# KiCad board untitled.kicad_pcb (continued)
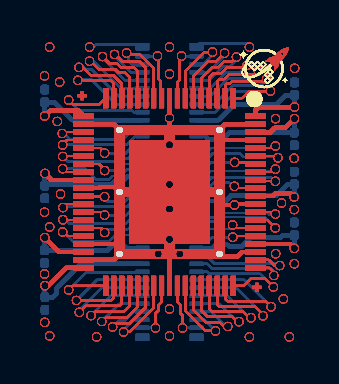
[diagram p0: board, top side]
## Routing (per net, layer and track width the routed paths; a pad name or vN(x,y) marks a point on that pad's centre or on a via; arc(x,y) is an arc through that point) (continued)
/PIN 39: length 245.1
  Top w0.1: 9.66,-0.91 9.41,-0.66 ; 9.66,-0.91 v1(9.74,-0.91) ; 9.66,-0.91 v1(9.74,-0.91) ; 9.66,-0.91 9.41,-0.66 ; 9.66,-0.91 v1(9.74,-0.91) ; 9.66,-0.91 9.41,-0.66 ; 9.66,-0.91 v1(9.74,-0.91) ; 9.66,-0.91 v1(9.74,-0.91) ; 9.66,-0.91 9.41,-0.66 ; 9.66,-0.91 9.41,-0.66 ; 9.66,-0.91 9.41,-0.66 ; 9.66,-0.91 v1(9.74,-0.91) ; 9.66,-0.91 v1(9.74,-0.91) ; 9.66,-0.91 9.41,-0.66 ; 9.66,-0.91 9.41,-0.66 ; 9.66,-0.91 9.41,-0.66 ; 9.66,-0.91 9.41,-0.66 ; 9.66,-0.91 v1(9.74,-0.91) ; 9.66,-0.91 v1(9.74,-0.91) ; 9.66,-0.91 9.41,-0.66 ; 9.66,-0.91 v1(9.74,-0.91) ; 9.66,-0.91 v1(9.74,-0.91) ; 9.66,-0.91 9.41,-0.66 ; 9.66,-0.91 v1(9.74,-0.91) ; 9.66,-0.91 v1(9.74,-0.91) ; 9.66,-0.91 9.41,-0.66 ; 9.66,-0.91 v1(9.74,-0.91) ; 9.66,-0.91 v1(9.74,-0.91) ; 9.66,-0.91 v1(9.74,-0.91) ; 9.66,-0.91 v1(9.74,-0.91) ; 9.66,-0.91 9.41,-0.66 ; 9.66,-0.91 9.41,-0.66 ; 9.66,-0.91 9.41,-0.66 ; 9.66,-0.91 v1(9.74,-0.91) ; 9.66,-0.91 9.41,-0.66 ; 9.66,-0.91 v1(9.74,-0.91) ; 9.66,-0.91 v1(9.74,-0.91) ; 9.66,-0.91 9.41,-0.66 ; 9.66,-0.91 v1(9.74,-0.91) ; 9.66,-0.91 v1(9.74,-0.91) ; 9.66,-0.91 9.41,-0.66 ; 9.66,-0.91 v1(9.74,-0.91) ; 9.66,-0.91 9.41,-0.66 ; 9.66,-0.91 9.41,-0.66 ; 9.66,-0.91 9.41,-0.66 ; 9.66,-0.91 9.41,-0.66 ; 9.66,-0.91 9.41,-0.66 ; 9.66,-0.91 9.41,-0.66 ; 9.66,-0.91 v1(9.74,-0.91) ; 9.66,-0.91 v1(9.74,-0.91) ; 9.66,-0.91 v1(9.74,-0.91) ; 9.66,-0.91 9.41,-0.66 ; 9.66,-0.91 9.41,-0.66 ; 9.66,-0.91 9.41,-0.66 ; 9.66,-0.91 v1(9.74,-0.91) ; 9.66,-0.91 9.41,-0.66 ; 9.66,-0.91 v1(9.74,-0.91) ; 9.66,-0.91 v1(9.74,-0.91) ; 9.66,-0.91 9.41,-0.66 ; 9.66,-0.91 v1(9.74,-0.91) ; 9.66,-0.91 9.41,-0.66 ; 9.66,-0.91 v1(9.74,-0.91) ; 9.66,-0.91 v1(9.74,-0.91) ; 9.66,-0.91 v1(9.74,-0.91) ; 9.66,-0.91 9.41,-0.66 ; 9.66,-0.91 9.41,-0.66 ; 9.66,-0.91 v1(9.74,-0.91) ; 9.66,-0.91 v1(9.74,-0.91) ; 9.66,-0.91 9.41,-0.66 ; 9.66,-0.91 9.41,-0.66 ; 9.66,-0.91 v1(9.74,-0.91) ; 9.66,-0.91 9.41,-0.66 ; 9.66,-0.91 v1(9.74,-0.91) ; 9.66,-0.91 v1(9.74,-0.91) ; 9.66,-0.91 v1(9.74,-0.91) ; 9.66,-0.91 9.41,-0.66 ; 9.66,-0.91 9.41,-0.66 ; 9.66,-0.91 9.41,-0.66 ; 9.66,-0.91 v1(9.74,-0.91) ; 9.66,-0.91 9.41,-0.66 ; 9.66,-0.91 9.41,-0.66 ; 9.66,-0.91 v1(9.74,-0.91) ; 9.66,-0.91 9.41,-0.66 ; 9.66,-0.91 v1(9.74,-0.91) ; 9.41,-0.66 8.17,-0.66 ; 9.41,-0.66 8.17,-0.66 ; 9.41,-0.66 8.17,-0.66 ; 9.41,-0.66 8.17,-0.66 ; 9.41,-0.66 8.17,-0.66 ; 9.41,-0.66 8.17,-0.66 ; 9.41,-0.66 8.17,-0.66 ; 9.41,-0.66 8.17,-0.66 ; 9.41,-0.66 8.17,-0.66 ; 9.41,-0.66 8.17,-0.66 ; 9.41,-0.66 8.17,-0.66 ; 9.41,-0.66 8.17,-0.66 ; 9.41,-0.66 8.17,-0.66 ; 9.41,-0.66 8.17,-0.66 ; 9.41,-0.66 8.17,-0.66 ; 9.41,-0.66 8.17,-0.66 ; 9.41,-0.66 8.17,-0.66 ; 9.41,-0.66 8.17,-0.66 ; 9.41,-0.66 8.17,-0.66 ; 9.41,-0.66 8.17,-0.66 ; 9.41,-0.66 8.17,-0.66 ; 9.41,-0.66 8.17,-0.66 ; 9.41,-0.66 8.17,-0.66 ; 9.41,-0.66 8.17,-0.66 ; 9.41,-0.66 8.17,-0.66 ; 9.41,-0.66 8.17,-0.66 ; 9.41,-0.66 8.17,-0.66 ; 9.41,-0.66 8.17,-0.66 ; 9.41,-0.66 8.17,-0.66 ; 9.41,-0.66 8.17,-0.66 ; 9.41,-0.66 8.17,-0.66 ; 9.41,-0.66 8.17,-0.66 ; 9.41,-0.66 8.17,-0.66 ; 9.41,-0.66 8.17,-0.66 ; 9.41,-0.66 8.17,-0.66 ; 9.41,-0.66 8.17,-0.66 ; 9.41,-0.66 8.17,-0.66 ; 9.41,-0.66 8.17,-0.66 ; 9.41,-0.66 8.17,-0.66 ; 9.41,-0.66 8.17,-0.66 ; 9.41,-0.66 8.17,-0.66 ; 9.41,-0.66 8.17,-0.66 ; 8.17,-0.66 7.86,-0.35 ; 8.17,-0.66 7.86,-0.35 ; 8.17,-0.66 7.86,-0.35 ; 8.17,-0.66 7.86,-0.35 ; 8.17,-0.66 7.86,-0.35 ; 8.17,-0.66 7.86,-0.35 ; 8.17,-0.66 7.86,-0.35 ; 8.17,-0.66 7.86,-0.35 ; 8.17,-0.66 7.86,-0.35 ; 8.17,-0.66 7.86,-0.35 ; 8.17,-0.66 7.86,-0.35 ; 8.17,-0.66 7.86,-0.35 ; 8.17,-0.66 7.86,-0.35 ; 8.17,-0.66 7.86,-0.35 ; 8.17,-0.66 7.86,-0.35 ; 8.17,-0.66 7.86,-0.35 ; 8.17,-0.66 7.86,-0.35 ; 8.17,-0.66 7.86,-0.35 ; 8.17,-0.66 7.86,-0.35 ; 8.17,-0.66 7.86,-0.35 ; 8.17,-0.66 7.86,-0.35 ; 8.17,-0.66 7.86,-0.35 ; 8.17,-0.66 7.86,-0.35 ; 8.17,-0.66 7.86,-0.35 ; 8.17,-0.66 7.86,-0.35 ; 8.17,-0.66 7.86,-0.35 ; 8.17,-0.66 7.86,-0.35 ; 8.17,-0.66 7.86,-0.35 ; 8.17,-0.66 7.86,-0.35 ; 8.17,-0.66 7.86,-0.35 ; 8.17,-0.66 7.86,-0.35 ; 8.17,-0.66 7.86,-0.35 ; 8.17,-0.66 7.86,-0.35 ; 8.17,-0.66 7.86,-0.35 ; 8.17,-0.66 7.86,-0.35 ; 8.17,-0.66 7.86,-0.35 ; 8.17,-0.66 7.86,-0.35 ; 8.17,-0.66 7.86,-0.35 ; 8.17,-0.66 7.86,-0.35 ; 8.17,-0.66 7.86,-0.35 ; 8.17,-0.66 7.86,-0.35 ; 8.17,-0.66 7.86,-0.35 ; 7.86,-0.35 J158.50 ; 7.86,-0.35 J158.50 ; 7.86,-0.35 J158.50 ; 7.86,-0.35 J158.50 ; 7.86,-0.35 J158.50 ; 7.86,-0.35 J158.50 ; 7.86,-0.35 J158.50 ; 7.86,-0.35 J158.50 ; 7.86,-0.35 J158.50 ; 7.86,-0.35 J158.50 ; 7.86,-0.35 J158.50 ; 7.86,-0.35 J158.50 ; 7.86,-0.35 J158.50 ; 7.86,-0.35 J158.50 ; 7.86,-0.35 J158.50 ; 7.86,-0.35 J158.50 ; 7.86,-0.35 J158.50 ; 7.86,-0.35 J158.50 ; 7.86,-0.35 J158.50 ; 7.86,-0.35 J158.50 ; 7.86,-0.35 J158.50 ; 7.86,-0.35 J158.50 ; 7.86,-0.35 J158.50 ; 7.86,-0.35 J158.50 ; 7.86,-0.35 J158.50 ; 7.86,-0.35 J158.50 ; 7.86,-0.35 J158.50 ; 7.86,-0.35 J158.50 ; 7.86,-0.35 J158.50 ; 7.86,-0.35 J158.50 ; 7.86,-0.35 J158.50 ; 7.86,-0.35 J158.50 ; 7.86,-0.35 J158.50 ; 7.86,-0.35 J158.50 ; 7.86,-0.35 J158.50 ; 7.86,-0.35 J158.50 ; 7.86,-0.35 J158.50 ; 7.86,-0.35 J158.50 ; 7.86,-0.35 J158.50 ; 7.86,-0.35 J158.50 ; 7.86,-0.35 J158.50 ; 7.86,-0.35 J158.50
  Bottom w0.1: v1(9.74,-0.91) 9.66,-0.91 ; v1(9.74,-0.91) 9.66,-0.91 ; v1(9.74,-0.91) 9.66,-0.91 ; v1(9.74,-0.91) 9.66,-0.91 ; v1(9.74,-0.91) 9.66,-0.91 ; v1(9.74,-0.91) 9.66,-0.91 ; v1(9.74,-0.91) 9.66,-0.91 ; v1(9.74,-0.91) 9.66,-0.91 ; v1(9.74,-0.91) 9.66,-0.91 ; v1(9.74,-0.91) 9.66,-0.91 ; v1(9.74,-0.91) 9.66,-0.91 ; v1(9.74,-0.91) 9.66,-0.91 ; v1(9.74,-0.91) 9.66,-0.91 ; v1(9.74,-0.91) 9.66,-0.91 ; v1(9.74,-0.91) 9.66,-0.91 ; v1(9.74,-0.91) 9.66,-0.91 ; v1(9.74,-0.91) 9.66,-0.91 ; v1(9.74,-0.91) 9.66,-0.91 ; v1(9.74,-0.91) 9.66,-0.91 ; v1(9.74,-0.91) 9.66,-0.91 ; v1(9.74,-0.91) 9.66,-0.91 ; v1(9.74,-0.91) 9.66,-0.91 ; v1(9.74,-0.91) 9.66,-0.91 ; v1(9.74,-0.91) 9.66,-0.91 ; v1(9.74,-0.91) 9.66,-0.91 ; v1(9.74,-0.91) 9.66,-0.91 ; v1(9.74,-0.91) 9.66,-0.91 ; v1(9.74,-0.91) 9.66,-0.91 ; v1(9.74,-0.91) 9.66,-0.91 ; v1(9.74,-0.91) 9.66,-0.91 ; v1(9.74,-0.91) 9.66,-0.91 ; v1(9.74,-0.91) 9.66,-0.91 ; v1(9.74,-0.91) 9.66,-0.91 ; v1(9.74,-0.91) 9.66,-0.91 ; v1(9.74,-0.91) 9.66,-0.91 ; v1(9.74,-0.91) 9.66,-0.91 ; v1(9.74,-0.91) 9.66,-0.91 ; v1(9.74,-0.91) 9.66,-0.91 ; v1(9.74,-0.91) 9.66,-0.91 ; v1(9.74,-0.91) 9.66,-0.91 ; v1(9.74,-0.91) 9.66,-0.91 ; v1(9.74,-0.91) 9.66,-0.91 ; 9.66,-0.91 8.77,-0.02 ; 9.66,-0.91 8.77,-0.02 ; 9.66,-0.91 8.77,-0.02 ; 9.66,-0.91 8.77,-0.02 ; 9.66,-0.91 8.77,-0.02 ; 9.66,-0.91 8.77,-0.02 ; 9.66,-0.91 8.77,-0.02 ; 9.66,-0.91 8.77,-0.02 ; 9.66,-0.91 8.77,-0.02 ; 9.66,-0.91 8.77,-0.02 ; 9.66,-0.91 8.77,-0.02 ; 9.66,-0.91 8.77,-0.02 ; 9.66,-0.91 8.77,-0.02 ; 9.66,-0.91 8.77,-0.02 ; 9.66,-0.91 8.77,-0.02 ; 9.66,-0.91 8.77,-0.02 ; 9.66,-0.91 8.77,-0.02 ; 9.66,-0.91 8.77,-0.02 ; 9.66,-0.91 8.77,-0.02 ; 9.66,-0.91 8.77,-0.02 ; 9.66,-0.91 8.77,-0.02 ; 9.66,-0.91 8.77,-0.02 ; 9.66,-0.91 8.77,-0.02 ; 9.66,-0.91 8.77,-0.02 ; 9.66,-0.91 8.77,-0.02 ; 9.66,-0.91 8.77,-0.02 ; 9.66,-0.91 8.77,-0.02 ; 9.66,-0.91 8.77,-0.02 ; 9.66,-0.91 8.77,-0.02 ; 9.66,-0.91 8.77,-0.02 ; 9.66,-0.91 8.77,-0.02 ; 9.66,-0.91 8.77,-0.02 ; 9.66,-0.91 8.77,-0.02 ; 9.66,-0.91 8.77,-0.02 ; 9.66,-0.91 8.77,-0.02 ; 9.66,-0.91 8.77,-0.02 ; 9.66,-0.91 8.77,-0.02 ; 9.66,-0.91 8.77,-0.02 ; 9.66,-0.91 8.77,-0.02 ; 9.66,-0.91 8.77,-0.02 ; 9.66,-0.91 8.77,-0.02 ; 9.66,-0.91 8.77,-0.02 ; 8.77,-0.02 J173.32 ; 8.77,-0.02 J173.32 ; 8.77,-0.02 J173.32 ; 8.77,-0.02 J173.32 ; 8.77,-0.02 J173.32 ; 8.77,-0.02 J173.32 ; 8.77,-0.02 J173.32 ; 8.77,-0.02 J173.32 ; 8.77,-0.02 J173.32 ; 8.77,-0.02 J173.32 ; 8.77,-0.02 J173.32 ; 8.77,-0.02 J173.32 ; 8.77,-0.02 J173.32 ; 8.77,-0.02 J173.32 ; 8.77,-0.02 J173.32 ; 8.77,-0.02 J173.32 ; 8.77,-0.02 J173.32 ; 8.77,-0.02 J173.32 ; 8.77,-0.02 J173.32 ; 8.77,-0.02 J173.32 ; 8.77,-0.02 J173.32 ; 8.77,-0.02 J173.32 ; 8.77,-0.02 J173.32 ; 8.77,-0.02 J173.32 ; 8.77,-0.02 J173.32 ; 8.77,-0.02 J173.32 ; 8.77,-0.02 J173.32 ; 8.77,-0.02 J173.32 ; 8.77,-0.02 J173.32 ; 8.77,-0.02 J173.32 ; 8.77,-0.02 J173.32 ; 8.77,-0.02 J173.32 ; 8.77,-0.02 J173.32 ; 8.77,-0.02 J173.32 ; 8.77,-0.02 J173.32 ; 8.77,-0.02 J173.32 ; 8.77,-0.02 J173.32 ; 8.77,-0.02 J173.32 ; 8.77,-0.02 J173.32 ; 8.77,-0.02 J173.32 ; 8.77,-0.02 J173.32 ; 8.77,-0.02 J173.32
/PIN 40: length 276.8
  Top w0.1: 8.39,-0.4 8.26,-0.27 ; 8.39,-0.4 9.94,-0.4 ; 8.39,-0.4 9.94,-0.4 ; 8.39,-0.4 9.94,-0.4 ; 8.39,-0.4 8.26,-0.27 ; 8.39,-0.4 9.94,-0.4 ; 8.39,-0.4 8.26,-0.27 ; 8.39,-0.4 8.26,-0.27 ; 8.39,-0.4 8.26,-0.27 ; 8.39,-0.4 8.26,-0.27 ; 8.39,-0.4 8.26,-0.27 ; 8.39,-0.4 9.94,-0.4 ; 8.39,-0.4 9.94,-0.4 ; 8.39,-0.4 9.94,-0.4 ; 8.39,-0.4 8.26,-0.27 ; 8.39,-0.4 8.26,-0.27 ; 8.39,-0.4 9.94,-0.4 ; 8.39,-0.4 9.94,-0.4 ; 8.39,-0.4 8.26,-0.27 ; 8.39,-0.4 8.26,-0.27 ; 8.39,-0.4 8.26,-0.27 ; 8.39,-0.4 9.94,-0.4 ; 8.39,-0.4 8.26,-0.27 ; 8.39,-0.4 9.94,-0.4 ; 8.39,-0.4 8.26,-0.27 ; 8.39,-0.4 8.26,-0.27 ; 8.39,-0.4 8.26,-0.27 ; 8.39,-0.4 9.94,-0.4 ; 8.39,-0.4 9.94,-0.4 ; 8.39,-0.4 9.94,-0.4 ; 8.39,-0.4 8.26,-0.27 ; 8.39,-0.4 9.94,-0.4 ; 8.39,-0.4 8.26,-0.27 ; 8.39,-0.4 8.26,-0.27 ; 8.39,-0.4 9.94,-0.4 ; 8.39,-0.4 9.94,-0.4 ; 8.39,-0.4 9.94,-0.4 ; 8.39,-0.4 8.26,-0.27 ; 8.39,-0.4 9.94,-0.4 ; 8.39,-0.4 9.94,-0.4 ; 8.39,-0.4 8.26,-0.27 ; 8.39,-0.4 8.26,-0.27 ; 8.39,-0.4 9.94,-0.4 ; 8.39,-0.4 9.94,-0.4 ; 8.39,-0.4 9.94,-0.4 ; 8.39,-0.4 8.26,-0.27 ; 8.39,-0.4 9.94,-0.4 ; 8.39,-0.4 8.26,-0.27 ; 8.39,-0.4 8.26,-0.27 ; 8.39,-0.4 8.26,-0.27 ; 8.39,-0.4 9.94,-0.4 ; 8.39,-0.4 8.26,-0.27 ; 8.39,-0.4 8.26,-0.27 ; 8.39,-0.4 9.94,-0.4 ; 8.39,-0.4 9.94,-0.4 ; 8.39,-0.4 8.26,-0.27 ; 8.39,-0.4 9.94,-0.4 ; 8.39,-0.4 9.94,-0.4 ; 8.39,-0.4 9.94,-0.4 ; 8.39,-0.4 8.26,-0.27 ; 8.39,-0.4 8.26,-0.27 ; 8.39,-0.4 9.94,-0.4 ; 8.39,-0.4 9.94,-0.4 ; 8.39,-0.4 8.26,-0.27 ; 8.39,-0.4 9.94,-0.4 ; 8.39,-0.4 8.26,-0.27 ; 8.39,-0.4 8.26,-0.27 ; 8.39,-0.4 9.94,-0.4 ; 8.39,-0.4 9.94,-0.4 ; 8.39,-0.4 9.94,-0.4 ; 8.39,-0.4 8.26,-0.27 ; 8.39,-0.4 8.26,-0.27 ; 8.39,-0.4 8.26,-0.27 ; 8.39,-0.4 9.94,-0.4 ; 8.39,-0.4 8.26,-0.27 ; 8.39,-0.4 8.26,-0.27 ; 8.39,-0.4 9.94,-0.4 ; 8.39,-0.4 8.26,-0.27 ; 8.39,-0.4 9.94,-0.4 ; 8.39,-0.4 8.26,-0.27 ; 8.39,-0.4 8.26,-0.27 ; 8.39,-0.4 9.94,-0.4 ; 8.39,-0.4 9.94,-0.4 ; 8.39,-0.4 9.94,-0.4 ; 8.26,-0.27 J158.51 ; 8.26,-0.27 J158.51 ; 8.26,-0.27 J158.51 ; 8.26,-0.27 J158.51 ; 8.26,-0.27 J158.51 ; 8.26,-0.27 J158.51 ; 8.26,-0.27 J158.51 ; 8.26,-0.27 J158.51 ; 8.26,-0.27 J158.51 ; 8.26,-0.27 J158.51 ; 8.26,-0.27 J158.51 ; 8.26,-0.27 J158.51 ; 8.26,-0.27 J158.51 ; 8.26,-0.27 J158.51 ; 8.26,-0.27 J158.51 ; 8.26,-0.27 J158.51 ; 8.26,-0.27 J158.51 ; 8.26,-0.27 J158.51 ; 8.26,-0.27 J158.51 ; 8.26,-0.27 J158.51 ; 8.26,-0.27 J158.51 ; 8.26,-0.27 J158.51 ; 8.26,-0.27 J158.51 ; 8.26,-0.27 J158.51 ; 8.26,-0.27 J158.51 ; 8.26,-0.27 J158.51 ; 8.26,-0.27 J158.51 ; 8.26,-0.27 J158.51 ; 8.26,-0.27 J158.51 ; 8.26,-0.27 J158.51 ; 8.26,-0.27 J158.51 ; 8.26,-0.27 J158.51 ; 8.26,-0.27 J158.51 ; 8.26,-0.27 J158.51 ; 8.26,-0.27 J158.51 ; 8.26,-0.27 J158.51 ; 8.26,-0.27 J158.51 ; 8.26,-0.27 J158.51 ; 8.26,-0.27 J158.51 ; 8.26,-0.27 J158.51 ; 8.26,-0.27 J158.51 ; 8.26,-0.27 J158.51 ; v1(10.34,-0.71) 10.26,-0.71 ; v1(10.34,-0.71) 10.26,-0.71 ; v1(10.34,-0.71) 10.26,-0.71 ; v1(10.34,-0.71) 10.26,-0.71 ; v1(10.34,-0.71) 10.26,-0.71 ; v1(10.34,-0.71) 10.26,-0.71 ; v1(10.34,-0.71) 10.26,-0.71 ; v1(10.34,-0.71) 10.26,-0.71 ; v1(10.34,-0.71) 10.26,-0.71 ; v1(10.34,-0.71) 10.26,-0.71 ; v1(10.34,-0.71) 10.26,-0.71 ; v1(10.34,-0.71) 10.26,-0.71 ; v1(10.34,-0.71) 10.26,-0.71 ; v1(10.34,-0.71) 10.26,-0.71 ; v1(10.34,-0.71) 10.26,-0.71 ; v1(10.34,-0.71) 10.26,-0.71 ; v1(10.34,-0.71) 10.26,-0.71 ; v1(10.34,-0.71) 10.26,-0.71 ; v1(10.34,-0.71) 10.26,-0.71 ; v1(10.34,-0.71) 10.26,-0.71 ; v1(10.34,-0.71) 10.26,-0.71 ; v1(10.34,-0.71) 10.26,-0.71 ; v1(10.34,-0.71) 10.26,-0.71 ; v1(10.34,-0.71) 10.26,-0.71 ; v1(10.34,-0.71) 10.26,-0.71 ; v1(10.34,-0.71) 10.26,-0.71 ; v1(10.34,-0.71) 10.26,-0.71 ; v1(10.34,-0.71) 10.26,-0.71 ; v1(10.34,-0.71) 10.26,-0.71 ; v1(10.34,-0.71) 10.26,-0.71 ; v1(10.34,-0.71) 10.26,-0.71 ; v1(10.34,-0.71) 10.26,-0.71 ; v1(10.34,-0.71) 10.26,-0.71 ; v1(10.34,-0.71) 10.26,-0.71 ; v1(10.34,-0.71) 10.26,-0.71 ; v1(10.34,-0.71) 10.26,-0.71 ; v1(10.34,-0.71) 10.26,-0.71 ; v1(10.34,-0.71) 10.26,-0.71 ; v1(10.34,-0.71) 10.26,-0.71 ; v1(10.34,-0.71) 10.26,-0.71 ; v1(10.34,-0.71) 10.26,-0.71 ; v1(10.34,-0.71) 10.26,-0.71 ; 10.26,-0.71 9.94,-0.4 ; 10.26,-0.71 9.94,-0.4 ; 10.26,-0.71 9.94,-0.4 ; 10.26,-0.71 9.94,-0.4 ; 10.26,-0.71 9.94,-0.4 ; 10.26,-0.71 9.94,-0.4 ; 10.26,-0.71 9.94,-0.4 ; 10.26,-0.71 9.94,-0.4 ; 10.26,-0.71 9.94,-0.4 ; 10.26,-0.71 9.94,-0.4 ; 10.26,-0.71 9.94,-0.4 ; 10.26,-0.71 9.94,-0.4 ; 10.26,-0.71 9.94,-0.4 ; 10.26,-0.71 9.94,-0.4 ; 10.26,-0.71 9.94,-0.4 ; 10.26,-0.71 9.94,-0.4 ; 10.26,-0.71 9.94,-0.4 ; 10.26,-0.71 9.94,-0.4 ; 10.26,-0.71 9.94,-0.4 ; 10.26,-0.71 9.94,-0.4 ; 10.26,-0.71 9.94,-0.4 ; 10.26,-0.71 9.94,-0.4 ; 10.26,-0.71 9.94,-0.4 ; 10.26,-0.71 9.94,-0.4 ; 10.26,-0.71 9.94,-0.4 ; 10.26,-0.71 9.94,-0.4 ; 10.26,-0.71 9.94,-0.4 ; 10.26,-0.71 9.94,-0.4 ; 10.26,-0.71 9.94,-0.4 ; 10.26,-0.71 9.94,-0.4 ; 10.26,-0.71 9.94,-0.4 ; 10.26,-0.71 9.94,-0.4 ; 10.26,-0.71 9.94,-0.4 ; 10.26,-0.71 9.94,-0.4 ; 10.26,-0.71 9.94,-0.4 ; 10.26,-0.71 9.94,-0.4 ; 10.26,-0.71 9.94,-0.4 ; 10.26,-0.71 9.94,-0.4 ; 10.26,-0.71 9.94,-0.4 ; 10.26,-0.71 9.94,-0.4 ; 10.26,-0.71 9.94,-0.4 ; 10.26,-0.71 9.94,-0.4
  Bottom w0.1: v1(10.34,-0.71) 10.26,-0.71 ; v1(10.34,-0.71) 10.26,-0.71 ; v1(10.34,-0.71) 10.26,-0.71 ; v1(10.34,-0.71) 10.26,-0.71 ; v1(10.34,-0.71) 10.26,-0.71 ; v1(10.34,-0.71) 10.26,-0.71 ; v1(10.34,-0.71) 10.26,-0.71 ; v1(10.34,-0.71) 10.26,-0.71 ; v1(10.34,-0.71) 10.26,-0.71 ; v1(10.34,-0.71) 10.26,-0.71 ; v1(10.34,-0.71) 10.26,-0.71 ; v1(10.34,-0.71) 10.26,-0.71 ; v1(10.34,-0.71) 10.26,-0.71 ; v1(10.34,-0.71) 10.26,-0.71 ; v1(10.34,-0.71) 10.26,-0.71 ; v1(10.34,-0.71) 10.26,-0.71 ; v1(10.34,-0.71) 10.26,-0.71 ; v1(10.34,-0.71) 10.26,-0.71 ; v1(10.34,-0.71) 10.26,-0.71 ; v1(10.34,-0.71) 10.26,-0.71 ; v1(10.34,-0.71) 10.26,-0.71 ; v1(10.34,-0.71) 10.26,-0.71 ; v1(10.34,-0.71) 10.26,-0.71 ; v1(10.34,-0.71) 10.26,-0.71 ; v1(10.34,-0.71) 10.26,-0.71 ; v1(10.34,-0.71) 10.26,-0.71 ; v1(10.34,-0.71) 10.26,-0.71 ; v1(10.34,-0.71) 10.26,-0.71 ; v1(10.34,-0.71) 10.26,-0.71 ; v1(10.34,-0.71) 10.26,-0.71 ; v1(10.34,-0.71) 10.26,-0.71 ; v1(10.34,-0.71) 10.26,-0.71 ; v1(10.34,-0.71) 10.26,-0.71 ; v1(10.34,-0.71) 10.26,-0.71 ; v1(10.34,-0.71) 10.26,-0.71 ; v1(10.34,-0.71) 10.26,-0.71 ; v1(10.34,-0.71) 10.26,-0.71 ; v1(10.34,-0.71) 10.26,-0.71 ; v1(10.34,-0.71) 10.26,-0.71 ; v1(10.34,-0.71) 10.26,-0.71 ; v1(10.34,-0.71) 10.26,-0.71 ; v1(10.34,-0.71) 10.26,-0.71 ; 10.26,-0.71 9.17,0.38 ; 10.26,-0.71 9.17,0.38 ; 10.26,-0.71 9.17,0.38 ; 10.26,-0.71 9.17,0.38 ; 10.26,-0.71 9.17,0.38 ; 10.26,-0.71 9.17,0.38 ; 10.26,-0.71 9.17,0.38 ; 10.26,-0.71 9.17,0.38 ; 10.26,-0.71 9.17,0.38 ; 10.26,-0.71 9.17,0.38 ; 10.26,-0.71 9.17,0.38 ; 10.26,-0.71 9.17,0.38 ; 10.26,-0.71 9.17,0.38 ; 10.26,-0.71 9.17,0.38 ; 10.26,-0.71 9.17,0.38 ; 10.26,-0.71 9.17,0.38 ; 10.26,-0.71 9.17,0.38 ; 10.26,-0.71 9.17,0.38 ; 10.26,-0.71 9.17,0.38 ; 10.26,-0.71 9.17,0.38 ; 10.26,-0.71 9.17,0.38 ; 10.26,-0.71 9.17,0.38 ; 10.26,-0.71 9.17,0.38 ; 10.26,-0.71 9.17,0.38 ; 10.26,-0.71 9.17,0.38 ; 10.26,-0.71 9.17,0.38 ; 10.26,-0.71 9.17,0.38 ; 10.26,-0.71 9.17,0.38 ; 10.26,-0.71 9.17,0.38 ; 10.26,-0.71 9.17,0.38 ; 10.26,-0.71 9.17,0.38 ; 10.26,-0.71 9.17,0.38 ; 10.26,-0.71 9.17,0.38 ; 10.26,-0.71 9.17,0.38 ; 10.26,-0.71 9.17,0.38 ; 10.26,-0.71 9.17,0.38 ; 10.26,-0.71 9.17,0.38 ; 10.26,-0.71 9.17,0.38 ; 10.26,-0.71 9.17,0.38 ; 10.26,-0.71 9.17,0.38 ; 10.26,-0.71 9.17,0.38 ; 10.26,-0.71 9.17,0.38 ; 9.17,0.38 J173.31 ; 9.17,0.38 J173.31 ; 9.17,0.38 J173.31 ; 9.17,0.38 J173.31 ; 9.17,0.38 J173.31 ; 9.17,0.38 J173.31 ; 9.17,0.38 J173.31 ; 9.17,0.38 J173.31 ; 9.17,0.38 J173.31 ; 9.17,0.38 J173.31 ; 9.17,0.38 J173.31 ; 9.17,0.38 J173.31 ; 9.17,0.38 J173.31 ; 9.17,0.38 J173.31 ; 9.17,0.38 J173.31 ; 9.17,0.38 J173.31 ; 9.17,0.38 J173.31 ; 9.17,0.38 J173.31 ; 9.17,0.38 J173.31 ; 9.17,0.38 J173.31 ; 9.17,0.38 J173.31 ; 9.17,0.38 J173.31 ; 9.17,0.38 J173.31 ; 9.17,0.38 J173.31 ; 9.17,0.38 J173.31 ; 9.17,0.38 J173.31 ; 9.17,0.38 J173.31 ; 9.17,0.38 J173.31 ; 9.17,0.38 J173.31 ; 9.17,0.38 J173.31 ; 9.17,0.38 J173.31 ; 9.17,0.38 J173.31 ; 9.17,0.38 J173.31 ; 9.17,0.38 J173.31 ; 9.17,0.38 J173.31 ; 9.17,0.38 J173.31 ; 9.17,0.38 J173.31 ; 9.17,0.38 J173.31 ; 9.17,0.38 J173.31 ; 9.17,0.38 J173.31 ; 9.17,0.38 J173.31 ; 9.17,0.38 J173.31
/PIN 41: length 312.6
  Top w0.1: 10.53,-0.14 8.73,-0.14 ; 10.53,-0.14 10.94,-0.55 ; 10.53,-0.14 10.94,-0.55 ; 10.53,-0.14 10.94,-0.55 ; 10.53,-0.14 10.94,-0.55 ; 10.53,-0.14 8.73,-0.14 ; 10.53,-0.14 8.73,-0.14 ; 10.53,-0.14 8.73,-0.14 ; 10.53,-0.14 8.73,-0.14 ; 10.53,-0.14 8.73,-0.14 ; 10.53,-0.14 10.94,-0.55 ; 10.53,-0.14 8.73,-0.14 ; 10.53,-0.14 8.73,-0.14 ; 10.53,-0.14 8.73,-0.14 ; 10.53,-0.14 8.73,-0.14 ; 10.53,-0.14 8.73,-0.14 ; 10.53,-0.14 8.73,-0.14 ; 10.53,-0.14 10.94,-0.55 ; 10.53,-0.14 10.94,-0.55 ; 10.53,-0.14 10.94,-0.55 ; 10.53,-0.14 8.73,-0.14 ; 10.53,-0.14 8.73,-0.14 ; 10.53,-0.14 10.94,-0.55 ; 10.53,-0.14 10.94,-0.55 ; 10.53,-0.14 8.73,-0.14 ; 10.53,-0.14 8.73,-0.14 ; 10.53,-0.14 10.94,-0.55 ; 10.53,-0.14 10.94,-0.55 ; 10.53,-0.14 8.73,-0.14 ; 10.53,-0.14 10.94,-0.55 ; 10.53,-0.14 10.94,-0.55 ; 10.53,-0.14 10.94,-0.55 ; 10.53,-0.14 10.94,-0.55 ; 10.53,-0.14 10.94,-0.55 ; 10.53,-0.14 8.73,-0.14 ; 10.53,-0.14 10.94,-0.55 ; 10.53,-0.14 8.73,-0.14 ; 10.53,-0.14 8.73,-0.14 ; 10.53,-0.14 10.94,-0.55 ; 10.53,-0.14 10.94,-0.55 ; 10.53,-0.14 10.94,-0.55 ; 10.53,-0.14 10.94,-0.55 ; 10.53,-0.14 8.73,-0.14 ; 10.53,-0.14 8.73,-0.14 ; 10.53,-0.14 8.73,-0.14 ; 10.53,-0.14 8.73,-0.14 ; 10.53,-0.14 8.73,-0.14 ; 10.53,-0.14 10.94,-0.55 ; 10.53,-0.14 8.73,-0.14 ; 10.53,-0.14 10.94,-0.55 ; 10.53,-0.14 8.73,-0.14 ; 10.53,-0.14 10.94,-0.55 ; 10.53,-0.14 10.94,-0.55 ; 10.53,-0.14 10.94,-0.55 ; 10.53,-0.14 8.73,-0.14 ; 10.53,-0.14 8.73,-0.14 ; 10.53,-0.14 8.73,-0.14 ; 10.53,-0.14 10.94,-0.55 ; 10.53,-0.14 10.94,-0.55 ; 10.53,-0.14 8.73,-0.14 ; 10.53,-0.14 8.73,-0.14 ; 10.53,-0.14 8.73,-0.14 ; 10.53,-0.14 10.94,-0.55 ; 10.53,-0.14 8.73,-0.14 ; 10.53,-0.14 10.94,-0.55 ; 10.53,-0.14 10.94,-0.55 ; 10.53,-0.14 8.73,-0.14 ; 10.53,-0.14 8.73,-0.14 ; 10.53,-0.14 10.94,-0.55 ; 10.53,-0.14 10.94,-0.55 ; 10.53,-0.14 8.73,-0.14 ; 10.53,-0.14 8.73,-0.14 ; 10.53,-0.14 10.94,-0.55 ; 10.53,-0.14 8.73,-0.14 ; 10.53,-0.14 8.73,-0.14 ; 10.53,-0.14 10.94,-0.55 ; 10.53,-0.14 10.94,-0.55 ; 10.53,-0.14 8.73,-0.14 ; 10.53,-0.14 10.94,-0.55 ; 10.53,-0.14 10.94,-0.55 ; 10.53,-0.14 8.73,-0.14 ; 10.53,-0.14 10.94,-0.55 ; 10.53,-0.14 10.94,-0.55 ; 10.53,-0.14 10.94,-0.55 ; 8.73,-0.14 8.66,-0.07 ; 8.73,-0.14 8.66,-0.07 ; 8.73,-0.14 8.66,-0.07 ; 8.73,-0.14 8.66,-0.07 ; 8.73,-0.14 8.66,-0.07 ; 8.73,-0.14 8.66,-0.07 ; 8.73,-0.14 8.66,-0.07 ; 8.73,-0.14 8.66,-0.07 ; 8.73,-0.14 8.66,-0.07 ; 8.73,-0.14 8.66,-0.07 ; 8.73,-0.14 8.66,-0.07 ; 8.73,-0.14 8.66,-0.07 ; 8.73,-0.14 8.66,-0.07 ; 8.73,-0.14 8.66,-0.07 ; 8.73,-0.14 8.66,-0.07 ; 8.73,-0.14 8.66,-0.07 ; 8.73,-0.14 8.66,-0.07 ; 8.73,-0.14 8.66,-0.07 ; 8.73,-0.14 8.66,-0.07 ; 8.73,-0.14 8.66,-0.07 ; 8.73,-0.14 8.66,-0.07 ; 8.73,-0.14 8.66,-0.07 ; 8.73,-0.14 8.66,-0.07 ; 8.73,-0.14 8.66,-0.07 ; 8.73,-0.14 8.66,-0.07 ; 8.73,-0.14 8.66,-0.07 ; 8.73,-0.14 8.66,-0.07 ; 8.73,-0.14 8.66,-0.07 ; 8.73,-0.14 8.66,-0.07 ; 8.73,-0.14 8.66,-0.07 ; 8.73,-0.14 8.66,-0.07 ; 8.73,-0.14 8.66,-0.07 ; 8.73,-0.14 8.66,-0.07 ; 8.73,-0.14 8.66,-0.07 ; 8.73,-0.14 8.66,-0.07 ; 8.73,-0.14 8.66,-0.07 ; 8.73,-0.14 8.66,-0.07 ; 8.73,-0.14 8.66,-0.07 ; 8.73,-0.14 8.66,-0.07 ; 8.73,-0.14 8.66,-0.07 ; 8.73,-0.14 8.66,-0.07 ; 8.73,-0.14 8.66,-0.07 ; 8.66,-0.07 J158.52 ; 8.66,-0.07 J158.52 ; 8.66,-0.07 J158.52 ; 8.66,-0.07 J158.52 ; 8.66,-0.07 J158.52 ; 8.66,-0.07 J158.52 ; 8.66,-0.07 J158.52 ; 8.66,-0.07 J158.52 ; 8.66,-0.07 J158.52 ; 8.66,-0.07 J158.52 ; 8.66,-0.07 J158.52 ; 8.66,-0.07 J158.52 ; 8.66,-0.07 J158.52 ; 8.66,-0.07 J158.52 ; 8.66,-0.07 J158.52 ; 8.66,-0.07 J158.52 ; 8.66,-0.07 J158.52 ; 8.66,-0.07 J158.52 ; 8.66,-0.07 J158.52 ; 8.66,-0.07 J158.52 ; 8.66,-0.07 J158.52 ; 8.66,-0.07 J158.52 ; 8.66,-0.07 J158.52 ; 8.66,-0.07 J158.52 ; 8.66,-0.07 J158.52 ; 8.66,-0.07 J158.52 ; 8.66,-0.07 J158.52 ; 8.66,-0.07 J158.52 ; 8.66,-0.07 J158.52 ; 8.66,-0.07 J158.52 ; 8.66,-0.07 J158.52 ; 8.66,-0.07 J158.52 ; 8.66,-0.07 J158.52 ; 8.66,-0.07 J158.52 ; 8.66,-0.07 J158.52 ; 8.66,-0.07 J158.52 ; 8.66,-0.07 J158.52 ; 8.66,-0.07 J158.52 ; 8.66,-0.07 J158.52 ; 8.66,-0.07 J158.52 ; 8.66,-0.07 J158.52 ; 8.66,-0.07 J158.52 ; v1(10.94,-0.62) 10.94,-0.55 ; v1(10.94,-0.62) 10.94,-0.55 ; v1(10.94,-0.62) 10.94,-0.55 ; v1(10.94,-0.62) 10.94,-0.55 ; v1(10.94,-0.62) 10.94,-0.55 ; v1(10.94,-0.62) 10.94,-0.55 ; v1(10.94,-0.62) 10.94,-0.55 ; v1(10.94,-0.62) 10.94,-0.55 ; v1(10.94,-0.62) 10.94,-0.55 ; v1(10.94,-0.62) 10.94,-0.55 ; v1(10.94,-0.62) 10.94,-0.55 ; v1(10.94,-0.62) 10.94,-0.55 ; v1(10.94,-0.62) 10.94,-0.55 ; v1(10.94,-0.62) 10.94,-0.55 ; v1(10.94,-0.62) 10.94,-0.55 ; v1(10.94,-0.62) 10.94,-0.55 ; v1(10.94,-0.62) 10.94,-0.55 ; v1(10.94,-0.62) 10.94,-0.55 ; v1(10.94,-0.62) 10.94,-0.55 ; v1(10.94,-0.62) 10.94,-0.55 ; v1(10.94,-0.62) 10.94,-0.55 ; v1(10.94,-0.62) 10.94,-0.55 ; v1(10.94,-0.62) 10.94,-0.55 ; v1(10.94,-0.62) 10.94,-0.55 ; v1(10.94,-0.62) 10.94,-0.55 ; v1(10.94,-0.62) 10.94,-0.55 ; v1(10.94,-0.62) 10.94,-0.55 ; v1(10.94,-0.62) 10.94,-0.55 ; v1(10.94,-0.62) 10.94,-0.55 ; v1(10.94,-0.62) 10.94,-0.55 ; v1(10.94,-0.62) 10.94,-0.55 ; v1(10.94,-0.62) 10.94,-0.55 ; v1(10.94,-0.62) 10.94,-0.55 ; v1(10.94,-0.62) 10.94,-0.55 ; v1(10.94,-0.62) 10.94,-0.55 ; v1(10.94,-0.62) 10.94,-0.55 ; v1(10.94,-0.62) 10.94,-0.55 ; v1(10.94,-0.62) 10.94,-0.55 ; v1(10.94,-0.62) 10.94,-0.55 ; v1(10.94,-0.62) 10.94,-0.55 ; v1(10.94,-0.62) 10.94,-0.55 ; v1(10.94,-0.62) 10.94,-0.55
  Bottom w0.1: v1(10.94,-0.62) 10.94,-0.55 ; v1(10.94,-0.62) 10.94,-0.55 ; v1(10.94,-0.62) 10.94,-0.55 ; v1(10.94,-0.62) 10.94,-0.55 ; v1(10.94,-0.62) 10.94,-0.55 ; v1(10.94,-0.62) 10.94,-0.55 ; v1(10.94,-0.62) 10.94,-0.55 ; v1(10.94,-0.62) 10.94,-0.55 ; v1(10.94,-0.62) 10.94,-0.55 ; v1(10.94,-0.62) 10.94,-0.55 ; v1(10.94,-0.62) 10.94,-0.55 ; v1(10.94,-0.62) 10.94,-0.55 ; v1(10.94,-0.62) 10.94,-0.55 ; v1(10.94,-0.62) 10.94,-0.55 ; v1(10.94,-0.62) 10.94,-0.55 ; v1(10.94,-0.62) 10.94,-0.55 ; v1(10.94,-0.62) 10.94,-0.55 ; v1(10.94,-0.62) 10.94,-0.55 ; v1(10.94,-0.62) 10.94,-0.55 ; v1(10.94,-0.62) 10.94,-0.55 ; v1(10.94,-0.62) 10.94,-0.55 ; v1(10.94,-0.62) 10.94,-0.55 ; v1(10.94,-0.62) 10.94,-0.55 ; v1(10.94,-0.62) 10.94,-0.55 ; v1(10.94,-0.62) 10.94,-0.55 ; v1(10.94,-0.62) 10.94,-0.55 ; v1(10.94,-0.62) 10.94,-0.55 ; v1(10.94,-0.62) 10.94,-0.55 ; v1(10.94,-0.62) 10.94,-0.55 ; v1(10.94,-0.62) 10.94,-0.55 ; v1(10.94,-0.62) 10.94,-0.55 ; v1(10.94,-0.62) 10.94,-0.55 ; v1(10.94,-0.62) 10.94,-0.55 ; v1(10.94,-0.62) 10.94,-0.55 ; v1(10.94,-0.62) 10.94,-0.55 ; v1(10.94,-0.62) 10.94,-0.55 ; v1(10.94,-0.62) 10.94,-0.55 ; v1(10.94,-0.62) 10.94,-0.55 ; v1(10.94,-0.62) 10.94,-0.55 ; v1(10.94,-0.62) 10.94,-0.55 ; v1(10.94,-0.62) 10.94,-0.55 ; v1(10.94,-0.62) 10.94,-0.55 ; 10.94,-0.55 9.61,0.78 ; 10.94,-0.55 9.61,0.78 ; 10.94,-0.55 9.61,0.78 ; 10.94,-0.55 9.61,0.78 ; 10.94,-0.55 9.61,0.78 ; 10.94,-0.55 9.61,0.78 ; 10.94,-0.55 9.61,0.78 ; 10.94,-0.55 9.61,0.78 ; 10.94,-0.55 9.61,0.78 ; 10.94,-0.55 9.61,0.78 ; 10.94,-0.55 9.61,0.78 ; 10.94,-0.55 9.61,0.78 ; 10.94,-0.55 9.61,0.78 ; 10.94,-0.55 9.61,0.78 ; 10.94,-0.55 9.61,0.78 ; 10.94,-0.55 9.61,0.78 ; 10.94,-0.55 9.61,0.78 ; 10.94,-0.55 9.61,0.78 ; 10.94,-0.55 9.61,0.78 ; 10.94,-0.55 9.61,0.78 ; 10.94,-0.55 9.61,0.78 ; 10.94,-0.55 9.61,0.78 ; 10.94,-0.55 9.61,0.78 ; 10.94,-0.55 9.61,0.78 ; 10.94,-0.55 9.61,0.78 ; 10.94,-0.55 9.61,0.78 ; 10.94,-0.55 9.61,0.78 ; 10.94,-0.55 9.61,0.78 ; 10.94,-0.55 9.61,0.78 ; 10.94,-0.55 9.61,0.78 ; 10.94,-0.55 9.61,0.78 ; 10.94,-0.55 9.61,0.78 ; 10.94,-0.55 9.61,0.78 ; 10.94,-0.55 9.61,0.78 ; 10.94,-0.55 9.61,0.78 ; 10.94,-0.55 9.61,0.78 ; 10.94,-0.55 9.61,0.78 ; 10.94,-0.55 9.61,0.78 ; 10.94,-0.55 9.61,0.78 ; 10.94,-0.55 9.61,0.78 ; 10.94,-0.55 9.61,0.78 ; 10.94,-0.55 9.61,0.78 ; 9.61,0.78 J173.30 ; 9.61,0.78 J173.30 ; 9.61,0.78 J173.30 ; 9.61,0.78 J173.30 ; 9.61,0.78 J173.30 ; 9.61,0.78 J173.30 ; 9.61,0.78 J173.30 ; 9.61,0.78 J173.30 ; 9.61,0.78 J173.30 ; 9.61,0.78 J173.30 ; 9.61,0.78 J173.30 ; 9.61,0.78 J173.30 ; 9.61,0.78 J173.30 ; 9.61,0.78 J173.30 ; 9.61,0.78 J173.30 ; 9.61,0.78 J173.30 ; 9.61,0.78 J173.30 ; 9.61,0.78 J173.30 ; 9.61,0.78 J173.30 ; 9.61,0.78 J173.30 ; 9.61,0.78 J173.30 ; 9.61,0.78 J173.30 ; 9.61,0.78 J173.30 ; 9.61,0.78 J173.30 ; 9.61,0.78 J173.30 ; 9.61,0.78 J173.30 ; 9.61,0.78 J173.30 ; 9.61,0.78 J173.30 ; 9.61,0.78 J173.30 ; 9.61,0.78 J173.30 ; 9.61,0.78 J173.30 ; 9.61,0.78 J173.30 ; 9.61,0.78 J173.30 ; 9.61,0.78 J173.30 ; 9.61,0.78 J173.30 ; 9.61,0.78 J173.30 ; 9.61,0.78 J173.30 ; 9.61,0.78 J173.30 ; 9.61,0.78 J173.30 ; 9.61,0.78 J173.30 ; 9.61,0.78 J173.30 ; 9.61,0.78 J173.30
/PIN 42: length 310.6
  Top w0.1: J158.53 9.06,0.22 ; J158.53 9.06,0.22 ; J158.53 9.06,0.22 ; J158.53 9.06,0.22 ; J158.53 9.06,0.22 ; J158.53 9.06,0.22 ; J158.53 9.06,0.22 ; J158.53 9.06,0.22 ; J158.53 9.06,0.22 ; J158.53 9.06,0.22 ; J158.53 9.06,0.22 ; J158.53 9.06,0.22 ; J158.53 9.06,0.22 ; J158.53 9.06,0.22 ; J158.53 9.06,0.22 ; J158.53 9.06,0.22 ; J158.53 9.06,0.22 ; J158.53 9.06,0.22 ; J158.53 9.06,0.22 ; J158.53 9.06,0.22 ; J158.53 9.06,0.22 ; J158.53 9.06,0.22 ; J158.53 9.06,0.22 ; J158.53 9.06,0.22 ; J158.53 9.06,0.22 ; J158.53 9.06,0.22 ; J158.53 9.06,0.22 ; J158.53 9.06,0.22 ; J158.53 9.06,0.22 ; J158.53 9.06,0.22 ; J158.53 9.06,0.22 ; J158.53 9.06,0.22 ; J158.53 9.06,0.22 ; J158.53 9.06,0.22 ; J158.53 9.06,0.22 ; J158.53 9.06,0.22 ; J158.53 9.06,0.22 ; J158.53 9.06,0.22 ; J158.53 9.06,0.22 ; J158.53 9.06,0.22 ; J158.53 9.06,0.22 ; J158.53 9.06,0.22 ; 9.06,0.22 9.16,0.12 ; 9.06,0.22 9.16,0.12 ; 9.06,0.22 9.16,0.12 ; 9.06,0.22 9.16,0.12 ; 9.06,0.22 9.16,0.12 ; 9.06,0.22 9.16,0.12 ; 9.06,0.22 9.16,0.12 ; 9.06,0.22 9.16,0.12 ; 9.06,0.22 9.16,0.12 ; 9.06,0.22 9.16,0.12 ; 9.06,0.22 9.16,0.12 ; 9.06,0.22 9.16,0.12 ; 9.06,0.22 9.16,0.12 ; 9.06,0.22 9.16,0.12 ; 9.06,0.22 9.16,0.12 ; 9.06,0.22 9.16,0.12 ; 9.06,0.22 9.16,0.12 ; 9.06,0.22 9.16,0.12 ; 9.06,0.22 9.16,0.12 ; 9.06,0.22 9.16,0.12 ; 9.06,0.22 9.16,0.12 ; 9.06,0.22 9.16,0.12 ; 9.06,0.22 9.16,0.12 ; 9.06,0.22 9.16,0.12 ; 9.06,0.22 9.16,0.12 ; 9.06,0.22 9.16,0.12 ; 9.06,0.22 9.16,0.12 ; 9.06,0.22 9.16,0.12 ; 9.06,0.22 9.16,0.12 ; 9.06,0.22 9.16,0.12 ; 9.06,0.22 9.16,0.12 ; 9.06,0.22 9.16,0.12 ; 9.06,0.22 9.16,0.12 ; 9.06,0.22 9.16,0.12 ; 9.06,0.22 9.16,0.12 ; 9.06,0.22 9.16,0.12 ; 9.06,0.22 9.16,0.12 ; 9.06,0.22 9.16,0.12 ; 9.06,0.22 9.16,0.12 ; 9.06,0.22 9.16,0.12 ; 9.06,0.22 9.16,0.12 ; 9.06,0.22 9.16,0.12 ; 11.06,0.12 v1(11.35,-0.16) ; 11.06,0.12 v1(11.35,-0.16) ; 11.06,0.12 v1(11.35,-0.16) ; 11.06,0.12 9.16,0.12 ; 11.06,0.12 9.16,0.12 ; 11.06,0.12 v1(11.35,-0.16) ; 11.06,0.12 9.16,0.12 ; 11.06,0.12 9.16,0.12 ; 11.06,0.12 9.16,0.12 ; 11.06,0.12 v1(11.35,-0.16) ; 11.06,0.12 9.16,0.12 ; 11.06,0.12 v1(11.35,-0.16) ; 11.06,0.12 9.16,0.12 ; 11.06,0.12 9.16,0.12 ; 11.06,0.12 v1(11.35,-0.16) ; 11.06,0.12 v1(11.35,-0.16) ; 11.06,0.12 v1(11.35,-0.16) ; 11.06,0.12 9.16,0.12 ; 11.06,0.12 v1(11.35,-0.16) ; 11.06,0.12 v1(11.35,-0.16) ; 11.06,0.12 9.16,0.12 ; 11.06,0.12 v1(11.35,-0.16) ; 11.06,0.12 v1(11.35,-0.16) ; 11.06,0.12 9.16,0.12 ; 11.06,0.12 v1(11.35,-0.16) ; 11.06,0.12 v1(11.35,-0.16) ; 11.06,0.12 v1(11.35,-0.16) ; 11.06,0.12 9.16,0.12 ; 11.06,0.12 v1(11.35,-0.16) ; 11.06,0.12 v1(11.35,-0.16) ; 11.06,0.12 9.16,0.12 ; 11.06,0.12 v1(11.35,-0.16) ; 11.06,0.12 v1(11.35,-0.16) ; 11.06,0.12 v1(11.35,-0.16) ; 11.06,0.12 v1(11.35,-0.16) ; 11.06,0.12 9.16,0.12 ; 11.06,0.12 9.16,0.12 ; 11.06,0.12 9.16,0.12 ; 11.06,0.12 9.16,0.12 ; 11.06,0.12 9.16,0.12 ; 11.06,0.12 9.16,0.12 ; 11.06,0.12 v1(11.35,-0.16) ; 11.06,0.12 9.16,0.12 ; 11.06,0.12 v1(11.35,-0.16) ; 11.06,0.12 v1(11.35,-0.16) ; 11.06,0.12 9.16,0.12 ; 11.06,0.12 9.16,0.12 ; 11.06,0.12 9.16,0.12 ; 11.06,0.12 9.16,0.12 ; 11.06,0.12 v1(11.35,-0.16) ; 11.06,0.12 v1(11.35,-0.16) ; 11.06,0.12 v1(11.35,-0.16) ; 11.06,0.12 9.16,0.12 ; 11.06,0.12 9.16,0.12 ; 11.06,0.12 v1(11.35,-0.16) ; 11.06,0.12 9.16,0.12 ; 11.06,0.12 9.16,0.12 ; 11.06,0.12 9.16,0.12 ; 11.06,0.12 9.16,0.12 ; 11.06,0.12 v1(11.35,-0.16) ; 11.06,0.12 v1(11.35,-0.16) ; 11.06,0.12 9.16,0.12 ; 11.06,0.12 9.16,0.12 ; 11.06,0.12 9.16,0.12 ; 11.06,0.12 9.16,0.12 ; 11.06,0.12 v1(11.35,-0.16) ; 11.06,0.12 v1(11.35,-0.16) ; 11.06,0.12 9.16,0.12 ; 11.06,0.12 v1(11.35,-0.16) ; 11.06,0.12 v1(11.35,-0.16) ; 11.06,0.12 9.16,0.12 ; 11.06,0.12 v1(11.35,-0.16) ; 11.06,0.12 9.16,0.12 ; 11.06,0.12 9.16,0.12 ; 11.06,0.12 v1(11.35,-0.16) ; 11.06,0.12 9.16,0.12 ; 11.06,0.12 v1(11.35,-0.16) ; 11.06,0.12 v1(11.35,-0.16) ; 11.06,0.12 v1(11.35,-0.16) ; 11.06,0.12 v1(11.35,-0.16) ; 11.06,0.12 9.16,0.12 ; 11.06,0.12 9.16,0.12 ; 11.06,0.12 9.16,0.12 ; 11.06,0.12 v1(11.35,-0.16)